# KiCad board [DFR1144][M027.00940](V1.0.0).kicad_pcb (continued)
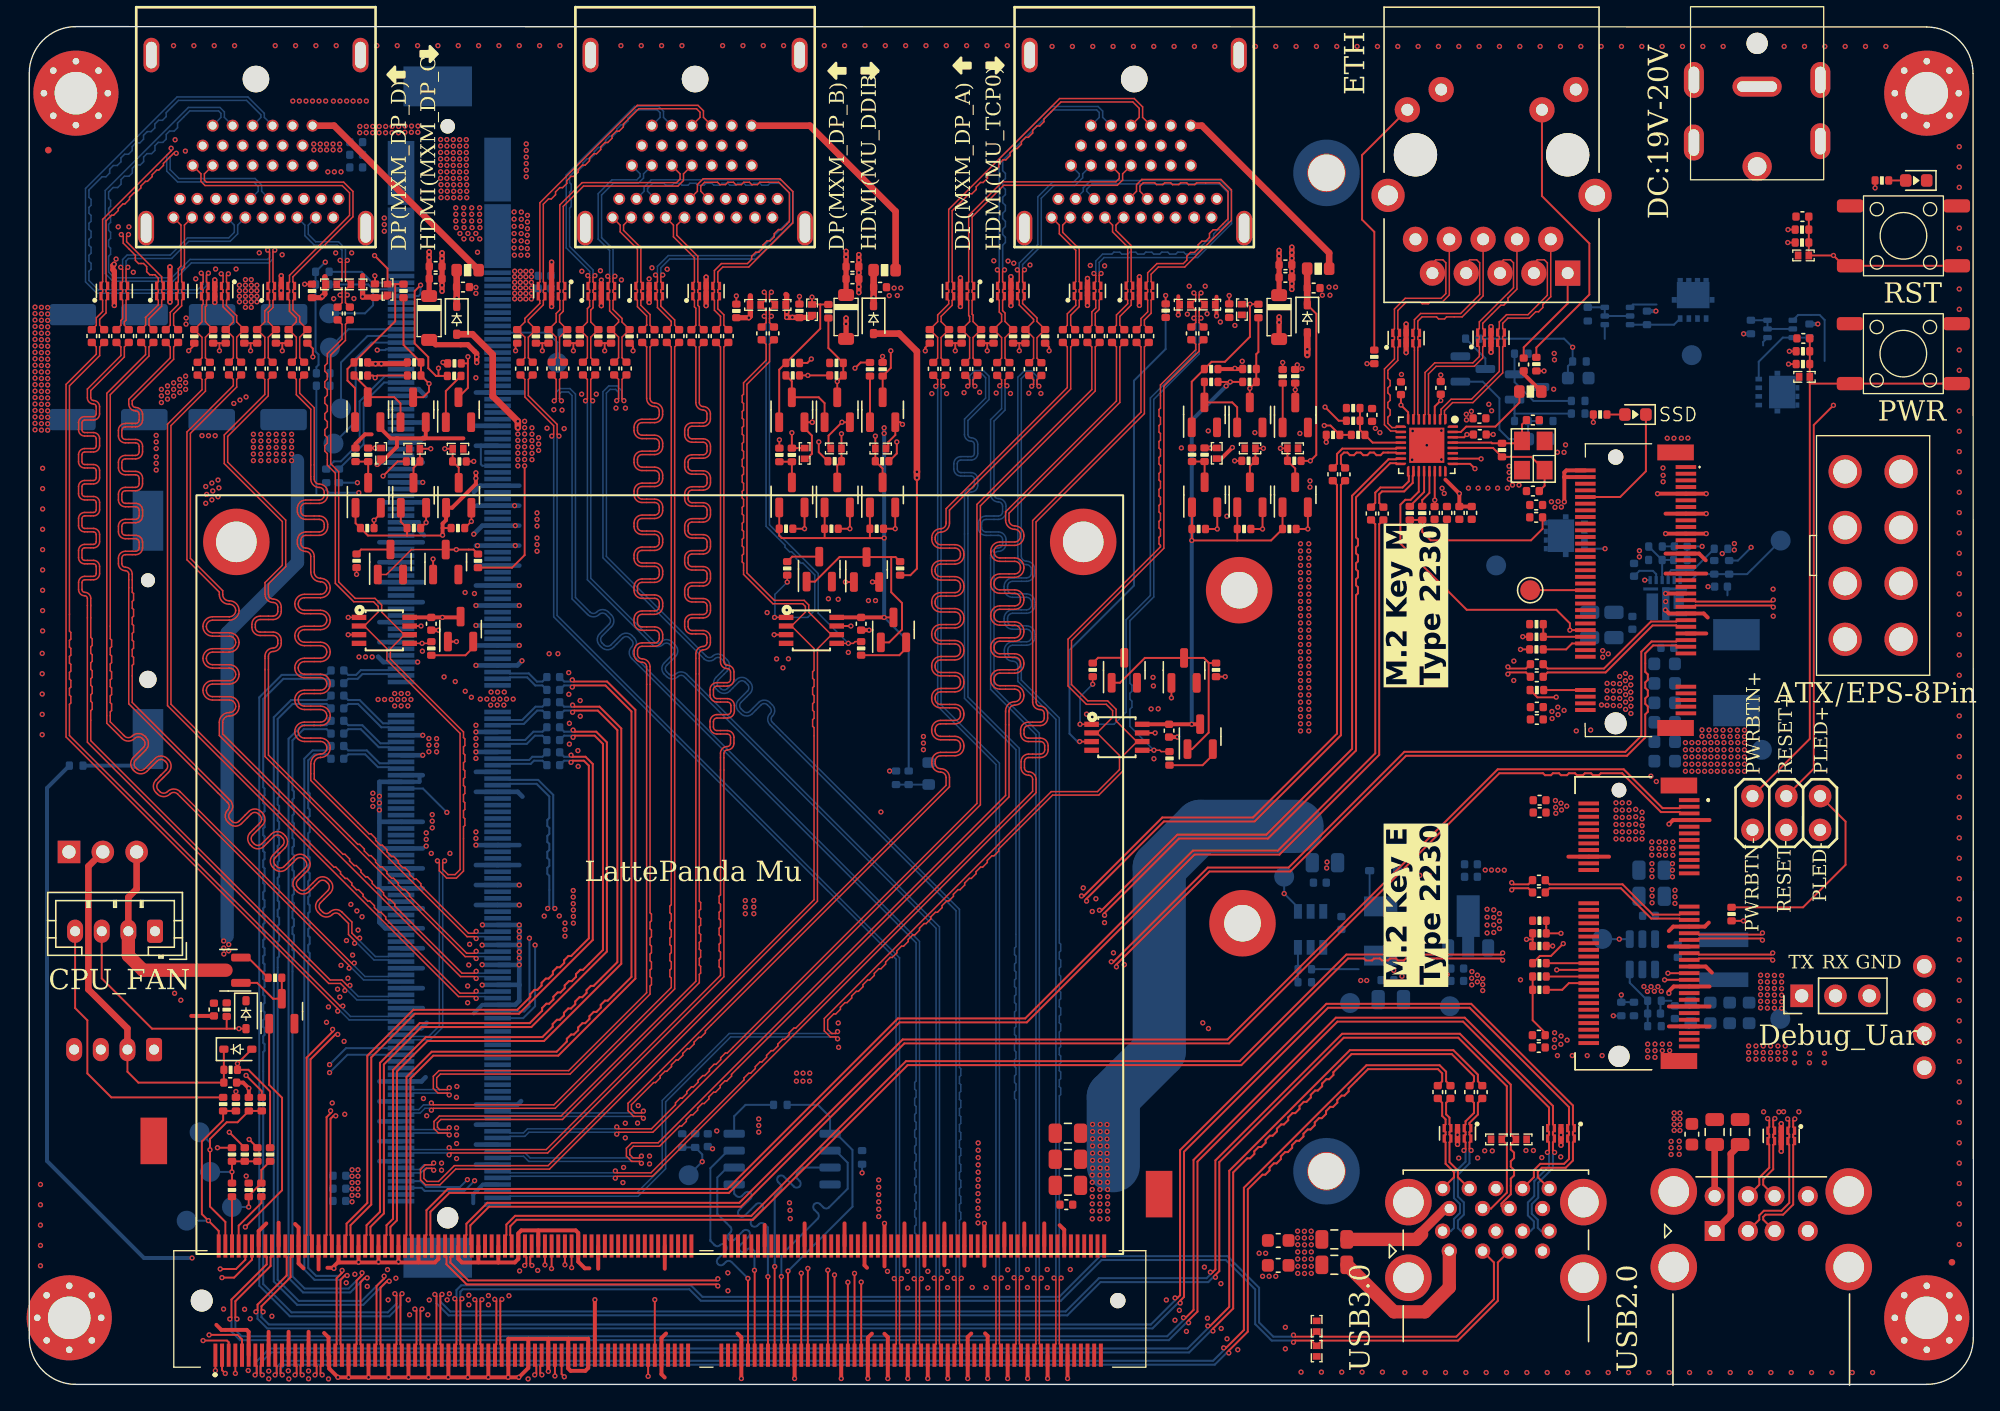
[diagram p0: board, top side]
## Routing (per net, layer and track width the routed paths; a pad name or vN(x,y) marks a point on that pad's centre or on a via; arc(x,y) is an arc through that point) (continued)
+BATT: length 81.6
  In1.SIG1 w0.3: A1.115 v1(42.48,6.35)
  In3.SIG2 w0.3: v1(12.23,9.5) 19.05,9.5 24.04,4.5 40.62,4.5 v1(42.48,6.35)
  In8.SIG4 w0.3: R2.1 1.33,44.8 1.33,16.78 8.62,9.5 v1(12.23,9.5)
/Fan_Temp/FAN_1_PWM: length 13.9
  In1.SIG1 w0.15: R79.2 R84.1 14.56,19.85 12.96,18.25 12.96,12.79 v1(13.45,12.3) 14.23,11.53 A1.2
  In8.SIG4 w0.15: v1(13.45,12.3) 13.45,12.3 TP9.1
/Fan_Temp/FAN_1_TAC: length 14.9
  In1.SIG1 w0.15: A1.4 14.73,12.2 13.57,13.36 v1(13.57,17.62) 13.57,18.44 14.82,19.69 15.64,19.69 R81.1 R83.2
  In8.SIG4 w0.15: v1(13.57,17.62) 13.57,18.16 TP10.1
/Fan_Temp/FAN_2_PWM: length 3.7
  In1.SIG1 w0.15: A1.6 15.22,10.4 R136.1
/Fan_Temp/FAN_2_TAC: length 4.4
  In1.SIG1 w0.15: A1.8 15.73,11.92 17.43,13.63 R70.1
/Fan_Temp/TEMP: length 96.2
  In1.SIG1 w0.15: v1(13.51,3.72) 15.63,3.72 15.98,3.38 A1.9
  In3.SIG2 w0.15: 64.61,46.08 64.61,22.37 46.04,3.8 23.54,3.8 18.22,9.12 13.4,9.12 11.45,7.17 11.45,5.77 v1(13.51,3.72)
  In8.SIG4 w0.15: R134.1 v1(64.61,46.08)
/Gigabit Ethernet/GbE_PCIe_CLK+: length 114.1
  In1.SIG1 w0.154: v1(80.37,35.62) 80.54,35.62 86.22,41.29 92.89,41.29 99.34,47.74 99.34,66.76 102.08,69.5 102.65,69.5 102.7,69.55 U5.15 ; A1.94 37.23,9.67 37.33,9.56 37.33,9.05 v1(37.21,8.93)
  In6.SIG3 w0.154: v1(37.21,8.93) 37.33,9.05 37.33,26.78 42.83,32.28 77.21,32.28 80.37,35.45 v1(80.37,35.62)
/Gigabit Ethernet/GbE_PCIe_CLK-: length 114.1
  In1.SIG1 w0.154: v1(37.75,8.93) 37.62,9.05 37.62,9.56 37.73,9.67 A1.96 ; v1(80.75,35.24) 80.75,35.41 86.34,41 93.02,41 99.64,47.62 99.64,59.29 99.78,59.43 99.78,59.89 99.64,60.03 99.64,60.49 99.78,60.63 99.78,61.09 99.64,61.23 99.64,61.69 99.78,61.83 99.78,62.29 99.64,62.43 99.64,62.89 99.78,63.03 99.78,63.49 99.64,63.63 99.64,66.64 102.2,69.2 102.65,69.2 102.7,69.15 U5.16
  In6.SIG3 w0.154: v1(37.75,8.93) 37.62,9.05 37.62,26.66 42.96,31.99 77.33,31.99 80.58,35.24 v1(80.75,35.24)
/Gigabit Ethernet/GbE_PCIe_RX+: length 105.9
  In1.SIG1 w0.154: C29.2 101.08,64.63 101.08,47.41 93.76,40.09 87.39,40.09 74.79,27.49 65.23,27.49 52.42,14.68 31.42,14.68 29.83,13.08 29.83,11.22 29.73,11.12 A1.64
/Gigabit Ethernet/GbE_PCIe_RX-: length 105.9
  In1.SIG1 w0.154: A1.66 30.23,11.12 30.12,11.22 30.12,12.96 31.55,14.39 52.54,14.39 65.35,27.2 74.91,27.2 87.52,39.8 93.89,39.8 101.38,47.29 101.38,64.63 C25.2
/Gigabit Ethernet/GbE_PCIe_TX+: length 118.6
  In1.SIG1 w0.154: A1.61 28.98,2.92 29.08,3.02 29.08,5.54 v1(28.96,5.66) ; v1(79.02,36.69) 79.19,36.69 85.09,42.58 91.9,42.58 98.21,48.89 98.21,67.11 98.21,67.57 C28.2
  In6.SIG3 w0.154: v1(28.96,5.66) 29.08,5.78 29.08,7.33 35.86,14.11 35.86,27.34 42.11,33.59 76.1,33.59 79.02,36.52 v1(79.02,36.69)
/Gigabit Ethernet/GbE_PCIe_TX-: length 118.6
  In1.SIG1 w0.154: C24.2 98.5,67.57 98.5,48.77 92.03,42.29 85.21,42.29 79.4,36.48 v1(79.4,36.31) ; A1.63 29.48,2.92 29.37,3.02 29.37,5.54 v1(29.5,5.66)
  In6.SIG3 w0.154: v1(79.4,36.31) 79.23,36.31 76.22,33.3 42.24,33.3 36.15,27.21 36.15,13.99 29.37,7.21 29.37,5.78 v1(29.5,5.66)
/Gigabit Ethernet/HSI+: length 6.2
  In1.SIG1 w0.154: U5.13 102.7,70.35 102.65,70.3 98.61,70.3 98.21,69.9 98.21,69.16 C28.1
/Gigabit Ethernet/HSI-: length 6.2
  In1.SIG1 w0.154: C24.1 98.5,69.16 98.5,69.78 98.73,70 98.98,70 99.18,69.81 99.48,69.81 99.68,70 99.98,70 100.18,69.81 100.48,69.81 100.68,70 100.98,70 101.18,69.81 101.48,69.81 101.68,70 102.65,70 102.7,69.95 U5.14
/Gigabit Ethernet/HSO+: length 4.9
  In1.SIG1 w0.154: C29.1 101.08,66.22 101.08,66.99 101.47,67.38 103.13,67.38 103.6,67.85 103.6,68.25 103.55,68.3 U5.17
/Gigabit Ethernet/HSO-: length 4.9
  In1.SIG1 w0.154: C25.1 101.38,66.21 101.38,66.87 101.59,67.08 103.25,67.08 103.9,67.73 103.9,68.25 103.95,68.3 U5.18
/Gigabit Ethernet/LED1_1000: length 38.7
  In1.SIG1 w0.15: v1(109.03,69.53) 109.01,69.55 U5.26
  In6.SIG3 w0.15: v1(109.03,69.53) 112.68,69.53 120.6,77.45 120.6,92.81 J4.L4
/Gigabit Ethernet/LED2_ACT: length 48
  In1.SIG1 w0.15: v1(108.57,68.79) 108.21,69.15 U5.25
  In6.SIG3 w0.15: J4.L2 114.08,97.27 120.3,91.05 120.3,77.57 112.68,69.95 108.85,69.95 108.57,69.67 v1(108.57,68.79)
/Gigabit Ethernet/MDI0+: length 19
  In1.SIG1 w0.117: J4.R2 114.26,81.71 113.67,81.11 113.67,80.9 113.35,80.58 113.13,80.58 112.65,80.1 111.04,80.1 110.65,79.71 110.65,79.33 110.78,79.21 U7.6 110.78,78.83 110.65,78.71 110.65,78.55 110.78,78.43 U7.5 110.78,78.06 110.65,77.93 110.65,75.99 108.42,73.75 106.88,73.75 106.28,73.15 106.28,72.87 106.35,72.8 U5.1
/Gigabit Ethernet/MDI0-: length 19.1
  In1.SIG1 w0.117: J4.R3 112.99,84.22 113.25,84.48 113.78,84.48 114,84.26 114,81.82 112.55,80.36 110.94,80.36 110.4,79.82 110.4,79.33 110.28,79.21 U7.7 110.28,78.83 110.4,78.71 110.4,78.55 110.28,78.43 U7.4 110.28,78.06 110.4,77.93 110.4,76.1 108.31,74.01 106.78,74.01 106.02,73.25 106.02,72.87 105.95,72.8 U5.2
/Gigabit Ethernet/MDI1+: length 18.3
  In1.SIG1 w0.117: J4.R4 111.72,82.28 111.05,81.61 111.05,81.39 110.73,81.08 110.52,81.08 109.15,79.71 109.15,79.33 109.28,79.21 U7.9 109.28,78.83 109.15,78.71 109.15,78.55 109.28,78.43 U7.2 109.28,78.06 109.15,77.93 109.15,77.11 108.52,76.48 105.65,76.48 105.08,75.91 105.08,72.87 105.15,72.8 U5.4
/Gigabit Ethernet/MDI1-: length 18.4
  In1.SIG1 w0.117: J4.R5 110.45,84.22 110.71,84.48 111.24,84.48 111.46,84.26 111.46,82.39 108.9,79.82 108.9,79.33 108.78,79.21 U7.10 108.78,78.83 108.9,78.71 108.9,78.55 108.78,78.43 U7.1 108.78,78.06 108.9,77.93 108.9,77.22 108.42,76.74 105.55,76.74 104.82,76.01 104.82,72.87 104.75,72.8 U5.5
/Gigabit Ethernet/MDI2+: length 17.7
  In1.SIG1 w0.117: J4.R6 109.18,81.77 107.6,80.19 106.44,80.19 106.28,80.04 105.84,80.04 105.68,80.19 104.59,80.19 104.28,79.88 104.28,79.3 104.4,79.18 U6.6 104.4,78.8 104.28,78.68 104.28,78.52 104.4,78.4 U6.5 104.4,78.03 104.28,77.91 104.28,72.87 104.35,72.8 U5.6
/Gigabit Ethernet/MDI2-: length 17.7
  In1.SIG1 w0.117: J4.R7 107.91,84.22 108.17,84.48 108.7,84.48 108.92,84.26 108.92,81.88 107.5,80.45 104.49,80.45 104.02,79.98 104.02,79.3 103.9,79.18 U6.7 103.9,78.8 104.02,78.68 104.02,78.52 103.9,78.4 U6.4 103.9,78.03 104.02,77.91 104.02,72.87 103.95,72.8 U5.7
/Gigabit Ethernet/MDI3+: length 19.2
  In1.SIG1 w0.117: J4.R8 106.64,81.84 106.14,81.33 105.22,81.33 105.06,81.18 104.62,81.18 104.46,81.33 103.44,81.33 102.78,80.68 102.78,79.3 102.9,79.18 U6.9 102.9,78.8 102.78,78.68 102.78,78.52 102.9,78.4 U6.2 102.9,78.03 102.78,77.91 102.78,76.93 102.03,76.18 102.03,75.58 102.2,75.41 102.2,75.03 102.03,74.86 102.03,74.48 102.2,74.31 102.2,73.93 102.03,73.76 102.03,73.38 102.2,73.21 102.2,72.83 102.03,72.66 102.03,72.19 102.34,71.88 102.63,71.88 102.7,71.95 U5.9
/Gigabit Ethernet/MDI3-: length 19.3
  In1.SIG1 w0.117: U5.10 102.7,71.55 102.63,71.62 102.24,71.62 101.77,72.09 101.77,76.28 102.52,77.03 102.52,77.91 102.4,78.03 U6.1 102.4,78.4 102.52,78.52 102.52,78.68 102.4,78.8 U6.10 102.4,79.18 102.52,79.3 102.52,80.78 103.33,81.59 106.03,81.59 106.38,81.94 106.38,84.26 106.16,84.48 105.63,84.48 105.37,84.22 J4.R9
/Gigabit Ethernet/~{CLKREQ4}: length 112.7
  In1.SIG1 w0.15: A1.102 39.23,8.7 v1(39.22,8.7) ; v1(97.25,72.03) 97.72,72.03 R135.2 R106.2
  In3.SIG2 w0.15: v1(97.25,72.03) 89.29,72.03 88.69,72.63 63.47,72.63 62.1,71.26 62.1,69.56 53.52,60.98 53.52,43.14 38.43,28.04 38.43,10.51 39.22,9.71 v1(39.22,8.7)
/HDMI+DPA/ACT_DONGLE_DET_DPA: length 16.1
  In1.SIG1 w0.15: Q23.1 81.91,52.71 83.78,54.57 Q25.3 88.21,54.57 88.57,54.21 ; 88.57,54.21 88.57,48.97 87.33,47.72 Q24.1 ; 88.57,54.21 88.6,54.19 R127.2
/HDMI+DPA/ACT_DONGLE_DET_DPA_N: length 55.7
  In1.SIG1 w0.15: U21.7 v1(84.55,48.94) ; U21.3 v1(78.88,48.29) ; v1(85.34,81.8) 85.34,81.17 R152.1 ; Q25.1 v1(85.77,51.57)
  In3.SIG2 w0.15: v1(78.88,48.29) 83.9,48.29 v1(84.55,48.94) 85.77,50.16 v1(85.77,51.57)
  In6.SIG3 w0.15: v1(85.34,81.8) 84.78,82.36 U31.D13
  In8.SIG4 w0.15: v1(78.88,48.29) 78.71,48.29 78.12,48.88 78.12,55.17 82.96,60.01 82.96,75.4 85.34,77.78 v1(85.34,81.8)
/HDMI+DPA/DPA_AUX+: length 50.1
  In1.SIG1 w0.117: C156.2 87.6,79.77 87.6,79.96 v1(87.46,80.1) 87.6,80.24 87.6,80.7 87.6,80.71 D44.2 87.6,81.52 87.6,81.85 v1(87.46,81.99) ; v1(79.86,52.6) 79.86,53.16 ; U21.1 v1(78.91,49.59)
  In6.SIG3 w0.117: v1(87.46,81.99) 87.6,82.14 87.6,82.64 86.65,83.59 86.65,87.09 U31.D15
  In8.SIG4 w0.117: v1(79.86,52.6) 78.91,51.65 v1(78.91,49.59) 81.46,49.59 82.37,50.5 82.37,57.44 84.19,59.26 84.19,74.1 87.6,77.51 87.6,79.96 v1(87.46,80.1)
/HDMI+DPA/DPA_AUX-: length 47.3
  In1.SIG1 w0.117: v1(88,81.99) 87.86,81.85 87.86,81.52 D43.2 87.86,80.71 87.86,80.6 87.86,80.24 v1(88,80.1) 87.86,79.96 87.86,79.77 C157.2 ; U21.5 84.46,47.64 ; R126.1 85,47.54 84.9,47.64 v1(84.46,47.64)
  In6.SIG3 w0.117: v1(88,81.99) 87.86,82.14 87.86,82.75 86.91,83.69 86.91,87.09 U31.D17
  In8.SIG4 w0.117: v1(84.46,47.64) 82.66,49.44 82.66,50.72 82.81,50.87 82.81,51.32 82.66,51.47 82.66,51.92 82.81,52.07 82.81,52.52 82.66,52.67 82.66,57.37 84.45,59.16 84.45,74 87.86,77.4 87.86,79.96 v1(88,80.1)
/HDMI+DPA/DPA_D0+: length 9.8
  In1.SIG1 w0.117: U31.D1 77.35,87.09 77.35,86.44 78.59,85.2 78.59,82.84 78.47,82.72 U27.10 78.47,82.35 78.59,82.23 78.59,82.07 78.47,81.95 U27.1 78.47,81.57 78.59,81.45 78.59,81.06 77.95,80.42 77.95,79.57 C148.2
/HDMI+DPA/DPA_D0-: length 9.8
  In1.SIG1 w0.117: U31.D3 77.61,87.09 77.61,86.54 78.85,85.3 78.85,82.84 78.97,82.72 U27.9 78.97,82.35 78.85,82.23 78.85,82.07 78.97,81.95 U27.2 78.97,81.57 78.85,81.45 78.85,80.96 78.21,80.32 78.21,79.57 C149.2
/HDMI+DPA/DPA_D1+: length 32
  In1.SIG1 w0.117: v1(80.49,83.46) 80.35,83.31 80.35,82.84 80.47,82.72 U27.6 80.47,82.35 80.35,82.23 80.35,82.07 80.47,81.95 U27.5 80.47,81.57 80.35,81.45 80.35,80.76 80.05,80.46 80.05,79.56 C150.2
  In8.SIG4 w0.117: v1(80.49,83.46) 80.35,83.6 80.35,84.29 80.71,84.65 87.74,84.65 90.29,87.2 90.29,89.62 89.47,90.44 79.71,90.44 79.15,89.88 79.15,89.63 U31.D4
/HDMI+DPA/DPA_D1-: length 32
  In1.SIG1 w0.117: v1(79.95,83.46) 80.09,83.31 80.09,82.84 79.97,82.72 U27.7 79.97,82.35 80.09,82.23 80.09,82.07 79.97,81.95 U27.4 79.97,81.57 80.09,81.45 80.09,80.86 79.8,80.57 79.8,79.56 C151.2
  In8.SIG4 w0.117: U31.D6 79.41,89.63 79.41,89.78 79.81,90.18 89.37,90.18 90.03,89.52 90.03,87.3 89.47,86.74 89.27,86.74 88.94,86.42 88.94,86.22 88.62,85.9 88.42,85.9 88.1,85.58 88.1,85.37 87.64,84.91 86.84,84.91 86.7,85.06 86.24,85.06 86.1,84.91 85.64,84.91 85.5,85.06 85.04,85.06 84.9,84.91 84.44,84.91 84.3,85.06 83.84,85.06 83.7,84.91 83.24,84.91 83.1,85.06 82.64,85.06 82.5,84.91 82.04,84.91 81.9,85.06 81.44,85.06 81.3,84.91 80.61,84.91 80.09,84.39 80.09,83.6 v1(79.95,83.46)
/HDMI+DPA/DPA_D2+: length 9.8
  In1.SIG1 w0.117: C152.2 81.64,79.57 81.64,80.34 82.49,81.18 82.49,81.45 82.37,81.58 U28.1 82.37,81.95 82.49,82.07 82.49,82.23 82.37,82.35 U28.10 82.37,82.72 82.49,82.85 82.49,85.45 81.35,86.59 81.35,87.09 U31.D7
/HDMI+DPA/DPA_D2-: length 9.8
  In1.SIG1 w0.117: C153.2 81.9,79.57 81.9,80.23 82.75,81.08 82.75,81.45 82.87,81.58 U28.2 82.87,81.95 82.75,82.07 82.75,82.23 82.87,82.35 U28.9 82.87,82.72 82.75,82.85 82.75,85.55 81.61,86.69 81.61,87.09 U31.D9
/HDMI+DPA/DPA_D3+: length 23.6
  In1.SIG1 w0.117: U31.D10 83.15,89.63 83.15,90.12 83.55,90.52 89.49,90.52 90.28,89.73 90.28,87.45 86.77,83.94 84.79,83.94 84.25,83.4 84.25,82.85 84.37,82.72 U28.6 84.37,82.35 84.25,82.23 84.25,82.07 84.37,81.95 U28.5 84.37,81.58 84.25,81.45 84.25,80.47 83.74,79.96 83.74,79.56 C154.2
/HDMI+DPA/DPA_D3-: length 23.6
  In1.SIG1 w0.117: C155.2 83.49,79.56 83.49,80.07 83.99,80.57 83.99,81.45 83.87,81.58 U28.4 83.87,81.95 83.99,82.07 83.99,82.23 83.87,82.35 U28.7 83.87,82.72 83.99,82.85 83.99,83.5 84.68,84.2 86.67,84.2 86.93,84.46 86.93,84.76 87.21,85.04 87.51,85.04 87.78,85.31 87.78,85.61 88.06,85.89 88.36,85.89 88.63,86.16 88.63,86.46 88.91,86.73 89.2,86.73 90.02,87.55 90.02,89.63 89.39,90.26 87.66,90.26 87.53,90.13 87.06,90.13 86.93,90.26 86.46,90.26 86.33,90.13 85.86,90.13 85.73,90.26 85.26,90.26 85.13,90.13 84.66,90.13 84.53,90.26 83.65,90.26 83.41,90.02 83.41,89.63 U31.D12
/HDMI+DPA/DPA_HPD: length 22.9
  In1.SIG1 w0.15: Q35.1 87.3,75.32 R151.1 88.79,76.82 89.79,76.82 91.67,78.7 v1(91.67,81.15) ; D45.2 92.31,81.15 R101.2
  In3.SIG2 w0.15: v1(91.67,81.15) 91.67,82.09 89.81,83.95 89.81,87.98 89.45,88.34 88.61,88.34 U31.D18
/HDMI+DPA/LP_TCP_0_HPD: length 89.5
  In1.SIG1 w0.15: v1(62.48,7.69) A1.187 ; Q1.2 v1(89.22,64.26) R5.1
  In3.SIG2 w0.15: v1(89.22,64.26) 86.97,66.51 70.97,66.51 66.66,62.2 66.66,21.87 63.09,18.3 63.09,13.92 62.48,13.31 v1(62.48,7.69)
/HDMI+DPA/LP_TCP_0_SCL: length 94.3
  In1.SIG1 w0.15: A1.179 60.48,8.22 v1(60.47,8.22) ; Q2.2 v1(92.62,64.26) R6.2
  In3.SIG2 w0.15: v1(60.47,8.22) 60.47,16.11 66.36,22 66.36,62.32 70.84,66.81 90.07,66.81 v1(92.62,64.26)
/HDMI+DPA/LP_TCP_0_SDA: length 98.4
  In1.SIG1 w0.15: R4.2 v1(96.02,64.26) Q3.2 ; A1.177 59.98,8.57 v1(59.97,8.58)
  In3.SIG2 w0.15: v1(96.02,64.26) 93.17,67.11 70.72,67.11 66.06,62.45 66.06,22.12 59.97,16.03 v1(59.97,8.58)
/HDMI+DPA/LP_TCP_0_TX0+: length 87.6
  In1.SIG1 w0.117: C1.1 75.42,75.46 75.42,75.13 v1(75.28,74.99) ; A1.247 77.48,2.92 77.35,3.04 77.35,7.85 v1(77.5,7.99)
  In8.SIG4 w0.117: v1(75.28,74.99) 75.42,75.13 75.42,75.62 75.18,75.86 74.8,75.86 74.5,75.56 74.5,62.22 arc(74.61,61.95) 74.88,61.84 arc(75.33,61.66) 75.51,61.21 75.51,60.97 arc(75.33,60.52) 74.88,60.33 73.85,60.33 arc(73.58,60.22) 73.47,59.94 73.47,59.77 arc(73.58,59.5) 73.85,59.39 74.89,59.39 arc(75.34,59.2) 75.53,58.74 75.53,58.57 arc(75.34,58.12) 74.89,57.93 73.85,57.93 arc(73.58,57.82) 73.47,57.54 73.47,57.37 arc(73.58,57.1) 73.85,56.99 74.89,56.99 arc(75.34,56.8) 75.53,56.34 75.53,56.17 arc(75.34,55.72) 74.89,55.53 73.86,55.53 arc(73.59,55.42) 73.48,55.15 73.48,54.97 arc(73.59,54.7) 73.86,54.59 arc(74.31,54.4) 74.5,53.95 74.5,52.91 77.35,50.06 77.35,33.17 77.46,33.07 77.46,32.57 77.35,32.47 77.35,31.97 77.46,31.87 77.46,31.37 77.35,31.27 77.35,30.77 77.46,30.67 77.46,30.17 77.35,30.07 77.35,29.57 77.46,29.47 77.46,28.97 77.35,28.87 77.35,28.37 77.46,28.27 77.46,27.77 77.35,27.67 77.35,27.17 77.46,27.07 77.46,26.57 77.35,26.47 77.35,25.97 77.46,25.87 77.46,25.37 77.35,25.27 77.35,24.77 77.46,24.67 77.46,24.17 77.35,24.07 77.35,23.57 77.46,23.47 77.46,22.97 77.35,22.87 77.35,22.37 77.46,22.27 77.46,21.77 77.35,21.67 77.35,8.13 v1(77.5,7.99)
/HDMI+DPA/LP_TCP_0_TX0-: length 87.6
  In1.SIG1 w0.117: v1(76.96,7.99) 77.1,7.85 77.1,3.04 76.98,2.92 A1.245 ; C2.1 75.68,75.46 75.68,75.13 v1(75.82,74.99)
  In8.SIG4 w0.117: v1(76.96,7.99) 77.1,8.13 77.1,49.95 74.24,52.81 74.24,53.95 arc(74.13,54.22) 73.86,54.33 arc(73.41,54.52) 73.23,54.97 73.23,55.15 arc(73.41,55.6) 73.86,55.79 74.89,55.79 arc(75.16,55.9) 75.27,56.17 75.27,56.34 arc(75.16,56.62) 74.89,56.73 73.85,56.73 arc(73.4,56.92) 73.21,57.37 73.21,57.54 arc(73.4,58) 73.85,58.19 74.89,58.19 arc(75.16,58.3) 75.27,58.57 75.27,58.74 arc(75.16,59.02) 74.89,59.13 73.85,59.13 arc(73.4,59.32) 73.21,59.77 73.21,59.94 arc(73.4,60.4) 73.85,60.59 74.88,60.59 arc(75.15,60.7) 75.26,60.97 75.26,61.21 arc(75.15,61.47) 74.88,61.59 arc(74.43,61.77) 74.24,62.22 74.24,75.66 74.7,76.12 75.28,76.12 75.68,75.72 75.68,75.13 v1(75.82,74.99)
/HDMI+DPA/LP_TCP_0_TX1+: length 79.7
  In1.SIG1 w0.117: A1.241 75.98,2.92 75.85,3.04 75.85,7.85 v1(76,7.99) ; v1(73.42,75.02) 73.28,75.16 73.28,75.47 C3.1
  In8.SIG4 w0.117: v1(73.42,75.02) 73.28,74.88 73.28,73.2 72.45,72.37 72.45,66.87 arc(72.54,66.64) 72.77,66.55 arc(73.18,66.38) 73.35,65.97 73.35,65.56 arc(73.18,65.15) 72.77,64.98 71.86,64.98 arc(71.62,64.88) 71.52,64.64 71.52,64.37 arc(71.62,64.14) 71.86,64.04 72.77,64.04 arc(73.18,63.87) 73.35,63.46 73.35,63.16 arc(73.18,62.75) 72.77,62.58 arc(72.54,62.48) 72.45,62.26 72.45,52.32 75.85,48.92 75.85,8.13 v1(76,7.99)
/HDMI+DPA/LP_TCP_0_TX1-: length 79.7
  In1.SIG1 w0.117: v1(72.88,75.02) 73.02,75.16 73.02,75.47 C4.1 ; v1(75.46,7.99) 75.6,7.85 75.6,3.04 75.48,2.92 A1.239
  In8.SIG4 w0.117: v1(75.46,7.99) 75.6,8.13 75.6,48.81 72.19,52.22 72.19,62.26 arc(72.36,62.67) 72.77,62.84 arc(73,62.93) 73.09,63.16 73.09,63.46 arc(73,63.68) 72.77,63.78 71.86,63.78 arc(71.43,63.95) 71.26,64.37 71.26,64.64 arc(71.43,65.06) 71.86,65.24 72.77,65.24 arc(73,65.33) 73.09,65.56 73.09,65.97 arc(73,66.2) 72.77,66.29 arc(72.36,66.46) 72.19,66.87 72.19,72.47 73.02,73.3 73.02,74.88 v1(72.88,75.02)
/HDMI+DPA/LP_TCP_0_TX2+: length 82.9
  In1.SIG1 w0.117: v1(74.5,8.01) 74.35,7.87 74.35,3.04 74.48,2.92 A1.235 ; C5.1 70.62,75.47 70.62,75.14 v1(70.48,74.99)
  In8.SIG4 w0.117: v1(70.48,74.99) 70.62,75.14 70.62,75.77 71.01,76.16 71.65,76.16 72.08,75.74 72.08,74 70.49,72.41 70.49,71.36 arc(70.56,71.19) 70.73,71.11 arc(71.08,70.97) 71.23,70.62 71.23,69.94 arc(71.08,69.59) 70.73,69.44 69.96,69.44 arc(69.77,69.36) 69.69,69.17 69.69,68.77 arc(69.77,68.58) 69.96,68.5 70.73,68.5 arc(71.08,68.35) 71.23,68 71.23,67.54 arc(71.08,67.19) 70.73,67.04 arc(70.56,66.97) 70.49,66.8 70.49,51.64 74.35,47.78 74.35,8.15 v1(74.5,8.01)
/HDMI+DPA/LP_TCP_0_TX2-: length 82.9
  In1.SIG1 w0.117: C6.1 70.88,75.47 70.88,75.14 v1(71.02,74.99) ; v1(73.96,8.01) 74.1,7.87 74.1,3.04 73.98,2.92 A1.233
  In8.SIG4 w0.117: v1(73.96,8.01) 74.1,8.15 74.1,21.38 73.99,21.48 73.99,21.98 74.1,22.08 74.1,22.58 73.99,22.68 73.99,23.18 74.1,23.28 74.1,23.78 73.99,23.88 73.99,24.38 74.1,24.48 74.1,24.98 73.99,25.08 73.99,25.58 74.1,25.68 74.1,26.18 73.99,26.28 73.99,26.78 74.1,26.88 74.1,27.38 73.99,27.48 73.99,27.98 74.1,28.08 74.1,28.58 73.99,28.68 73.99,29.18 74.1,29.28 74.1,29.78 73.99,29.88 73.99,30.38 74.1,30.48 74.1,30.98 73.99,31.08 73.99,31.58 74.1,31.68 74.1,32.18 73.99,32.28 73.99,32.78 74.1,32.88 74.1,47.67 70.23,51.54 70.23,66.8 arc(70.38,67.15) 70.73,67.3 arc(70.9,67.37) 70.97,67.54 70.97,68 arc(70.9,68.17) 70.73,68.24 69.96,68.24 arc(69.59,68.39) 69.43,68.77 69.43,69.17 arc(69.59,69.54) 69.96,69.7 70.73,69.7 arc(70.9,69.77) 70.97,69.94 70.97,70.62 arc(70.9,70.79) 70.73,70.86 arc(70.38,71) 70.23,71.36 70.23,72.51 71.82,74.1 71.82,75.63 71.55,75.9 71.11,75.9 70.88,75.66 70.88,75.14 v1(71.02,74.99)
/HDMI+DPA/LP_TCP_0_TX3+: length 75.9
  In1.SIG1 w0.117: v1(68.62,74.98) 68.48,75.12 68.48,75.48 C7.1 ; v1(73,7.99) 72.85,7.85 72.85,3.04 72.98,2.92 A1.229
  In8.SIG4 w0.117: v1(73,7.99) 72.85,8.13 72.85,46.67 68.48,51.05 68.48,74.84 v1(68.62,74.98)
/HDMI+DPA/LP_TCP_0_TX3-: length 75.9
  In1.SIG1 w0.117: C8.1 68.22,75.48 68.22,75.12 v1(68.08,74.98) ; v1(72.46,7.99) 72.6,7.85 72.6,3.04 72.48,2.92 A1.227
  In8.SIG4 w0.117: v1(68.08,74.98) 68.22,74.84 68.22,50.94 72.6,46.56 72.6,8.13 v1(72.46,7.99)
/HDMI+DPA/MXM_DPA_AUX_N: length 107.1
  In1.SIG1 w0.117: v1(60.7,26.5) 60.56,26.36 60.26,26.36 59.96,26.66 59.96,27.38 60.41,27.83 60.57,27.83 60.91,28.18 60.91,28.33 61.26,28.68 61.42,28.68 61.76,29.02 61.76,29.18 62.11,29.53 62.26,29.53 62.61,29.87 62.61,30.03 62.96,30.38 63.11,30.38 63.46,30.72 63.46,30.88 63.81,31.22 63.96,31.22 64.31,31.57 64.31,31.73 64.66,32.07 64.81,32.07 65.16,32.42 65.16,32.57 65.5,32.92 65.66,32.92 66.01,33.27 66.01,33.42 66.35,33.77 66.51,33.77 66.85,34.12 66.85,34.27 67.2,34.62 67.36,34.62 67.7,34.96 67.7,35.12 68.05,35.47 68.2,35.47 68.55,35.81 68.55,35.97 68.9,36.31 69.05,36.31 69.4,36.66 69.4,36.82 69.75,37.16 69.9,37.16 70.25,37.51 70.25,37.67 70.6,38.01 70.75,38.01 71.1,38.36 71.1,38.51 71.44,38.86 71.6,38.86 71.95,39.21 71.95,39.36 72.29,39.71 72.45,39.71 72.79,40.06 72.79,40.21 73.44,40.85 76.85,44.27 80.32,44.27 82.13,46.08 82.13,47.22 83.2,48.29 U21.6 83.17,48.29 81.62,49.84 81.62,50.71 80.98,51.35 79.49,51.35 78.27,52.57 78.27,55.88 85.21,62.81 85.21,74.98 87.86,77.62 87.86,78.14 C157.1
  In8.SIG4 w0.117: J11.277 36,14.51 36.12,14.39 45.62,14.39 47.53,16.3 47.53,21.33 52.57,26.36 60.56,26.36 v1(60.7,26.5)
/HDMI+DPA/MXM_DPA_AUX_P: length 107.1
  In1.SIG1 w0.117: 80.18,48.94 U21.2 80.18,48.94 ; 80.18,48.94 81.88,47.24 81.88,46.19 80.22,44.53 76.75,44.53 59.7,27.48 59.7,26.56 60.16,26.1 60.56,26.1 v1(60.7,25.96) ; 80.18,48.94 81.36,50.12 81.36,50.61 80.88,51.09 79.39,51.09 78.01,52.47 78.01,55.98 84.95,62.92 84.95,63.03 84.84,63.14 84.84,63.63 84.95,63.74 84.95,64.23 84.84,64.34 84.84,64.83 84.95,64.94 84.95,65.43 84.84,65.54 84.84,66.03 84.95,66.14 84.95,66.63 84.84,66.74 84.84,67.23 84.95,67.34 84.95,67.83 84.84,67.94 84.84,68.43 84.95,68.54 84.95,69.03 84.84,69.14 84.84,69.63 84.95,69.74 84.95,70.23 84.84,70.34 84.84,70.83 84.95,70.94 84.95,71.43 84.84,71.54 84.84,72.03 84.95,72.14 84.95,72.63 84.84,72.74 84.84,73.23 84.95,73.34 84.95,75.08 87.6,77.73 87.6,78.14 C156.1
  In8.SIG4 w0.117: J11.279 36,14.01 36.12,14.13 45.73,14.13 47.79,16.2 47.79,21.22 52.67,26.1 60.56,26.1 v1(60.7,25.96)
/HDMI+DPA/MXM_DPA_HPD: length 111.7
  In1.SIG1 w0.15: Q34.3 v1(91.66,74.82) R149.2 92.15,76.28 R148.1 92.15,77.4 92.31,77.56 R101.1
  In3.SIG2 w0.15: v1(33.44,15.3) 33.44,23.49 53.22,43.26 53.22,61.11 61.8,69.69 61.8,71.38 63.35,72.93 89.77,72.93 v1(91.66,74.82)
  In8.SIG4 w0.15: J11.276 29.46,14.76 29.7,14.53 32.67,14.53 v1(33.44,15.3)
/HDMI+DPA/MXM_DPA_TX0_DN: length 108.9
  In1.SIG1 w0.117: C149.1 78.21,77.94 78.21,74.78 69.11,65.67 69.11,64.69 arc(68.91,64.22) 68.44,64.02 arc(68.15,63.9) 68.03,63.62 68.03,63.49 arc(68.15,63.2) 68.44,63.08 69.52,63.08 arc(69.99,62.88) 70.19,62.41 70.19,62.29 arc(69.99,61.82) 69.52,61.62 68.44,61.62 arc(68.15,61.5) 68.03,61.21 68.03,61.09 arc(68.15,60.8) 68.44,60.68 69.52,60.68 arc(69.99,60.48) 70.19,60.01 70.19,59.89 arc(69.99,59.42) 69.52,59.22 68.44,59.22 arc(68.15,59.1) 68.03,58.81 68.03,58.69 arc(68.15,58.4) 68.44,58.28 69.52,58.28 arc(69.99,58.08) 70.19,57.61 70.19,57.49 arc(69.99,57.02) 69.52,56.82 68.44,56.82 arc(68.15,56.7) 68.03,56.41 68.03,56.29 arc(68.15,56) 68.44,55.88 69.52,55.88 arc(69.99,55.68) 70.19,55.21 70.19,55.09 arc(69.99,54.62) 69.52,54.42 68.44,54.42 arc(68.15,54.3) 68.03,54.01 68.03,53.89 arc(68.15,53.6) 68.44,53.48 69.52,53.48 arc(69.99,53.28) 70.19,52.81 70.19,52.69 arc(69.99,52.22) 69.52,52.02 68.44,52.02 arc(68.15,51.9) 68.03,51.61 68.03,51.49 arc(68.15,51.2) 68.44,51.08 69.52,51.08 arc(69.99,50.88) 70.19,50.41 70.19,50.29 arc(69.99,49.82) 69.52,49.62 68.44,49.62 arc(68.15,49.5) 68.03,49.21 68.03,49.09 arc(68.15,48.8) 68.44,48.68 69.52,48.68 arc(69.99,48.48) 70.19,48.01 70.19,47.89 arc(69.99,47.42) 69.52,47.22 68.44,47.22 arc(68.15,47.1) 68.03,46.82 68.03,46.66 arc(68.15,46.37) 68.44,46.25 arc(68.91,46.06) 69.11,45.59 69.11,44.9 51.23,27.01 50.77,26.56 50.77,26.42 50.42,26.07 50.28,26.07 49.93,25.71 49.93,25.57 49.57,25.22 49.43,25.22 49.08,24.87 49.08,24.72 48.73,24.37 48.58,24.37 48.23,24.02 48.23,23.87 47.88,23.52 47.73,23.52 47.38,23.17 47.38,23.02 47.03,22.67 46.88,22.67 45.22,21.01 45.22,20.66 45.49,20.39 45.98,20.39 v1(46.12,20.53)
  In8.SIG4 w0.117: v1(46.12,20.53) 45.98,20.39 36.12,20.39 36,20.51 J11.253
/HDMI+DPA/MXM_DPA_TX0_DP: length 108.9
  In1.SIG1 w0.117: v1(46.12,19.99) 45.98,20.13 45.39,20.13 44.96,20.56 44.96,21.12 68.85,45 68.85,45.59 arc(68.73,45.88) 68.44,46 arc(67.97,46.19) 67.78,46.66 67.78,46.82 arc(67.97,47.29) 68.44,47.48 69.52,47.48 arc(69.81,47.6) 69.93,47.89 69.93,48.01 arc(69.81,48.3) 69.52,48.42 68.44,48.42 arc(67.97,48.62) 67.77,49.09 67.77,49.21 arc(67.97,49.68) 68.44,49.88 69.52,49.88 arc(69.81,50) 69.93,50.29 69.93,50.41 arc(69.81,50.7) 69.52,50.82 68.44,50.82 arc(67.97,51.02) 67.77,51.49 67.77,51.61 arc(67.97,52.08) 68.44,52.28 69.52,52.28 arc(69.81,52.4) 69.93,52.69 69.93,52.81 arc(69.81,53.1) 69.52,53.22 68.44,53.22 arc(67.97,53.42) 67.77,53.89 67.77,54.01 arc(67.97,54.48) 68.44,54.68 69.52,54.68 arc(69.81,54.8) 69.93,55.09 69.93,55.21 arc(69.81,55.5) 69.52,55.62 68.44,55.62 arc(67.97,55.82) 67.77,56.29 67.77,56.41 arc(67.97,56.88) 68.44,57.08 69.52,57.08 arc(69.81,57.2) 69.93,57.49 69.93,57.61 arc(69.81,57.9) 69.52,58.02 68.44,58.02 arc(67.97,58.22) 67.77,58.69 67.77,58.81 arc(67.97,59.28) 68.44,59.48 69.52,59.48 arc(69.81,59.6) 69.93,59.89 69.93,60.01 arc(69.81,60.3) 69.52,60.42 68.44,60.42 arc(67.97,60.62) 67.77,61.09 67.77,61.21 arc(67.97,61.68) 68.44,61.88 69.52,61.88 arc(69.81,62) 69.93,62.29 69.93,62.41 arc(69.81,62.7) 69.52,62.82 68.44,62.82 arc(67.97,63.02) 67.78,63.49 67.78,63.62 arc(67.97,64.09) 68.44,64.28 arc(68.73,64.4) 68.85,64.69 68.85,65.78 77.95,74.88 77.95,77.94 C148.1
  In8.SIG4 w0.117: J11.255 36,20.01 36.12,20.13 45.98,20.13 v1(46.12,19.99)
/HDMI+DPA/MXM_DPA_TX1_DN: length 85.2
  In1.SIG1 w0.117: v1(44.12,19.34) 44.26,19.2 46.73,19.2 48.53,21 48.53,21.15 48.88,21.5 49.03,21.5 49.38,21.85 49.38,22 49.73,22.35 49.87,22.35 50.23,22.7 50.23,22.84 50.58,23.2 50.72,23.2 51.07,23.55 51.07,23.69 51.43,24.04 51.57,24.04 51.92,24.4 51.92,24.54 52.27,24.89 52.42,24.89 52.84,25.31 71.17,43.64 71.17,66.11 79.8,74.74 79.8,77.94 C151.1
  In8.SIG4 w0.117: v1(44.12,19.34) 43.98,19.2 37.42,19.2 37.11,18.89 36.12,18.89 36,19.01 J11.259
/HDMI+DPA/MXM_DPA_TX1_DP: length 85.2
  In1.SIG1 w0.117: C150.1 80.05,77.94 80.05,74.63 71.43,66 71.43,43.54 46.83,18.94 44.26,18.94 v1(44.12,18.8)
  In8.SIG4 w0.117: J11.261 36,18.51 36.12,18.63 37.22,18.63 37.52,18.94 43.98,18.94 v1(44.12,18.8)
/HDMI+DPA/MXM_DPA_TX2_DN: length 108.9
  In1.SIG1 w0.117: C153.1 81.9,77.94 81.9,73.77 73.58,65.45 73.58,64.92 arc(73.7,64.62) 74.01,64.49 arc(74.49,64.29) 74.69,63.81 74.69,63.71 arc(74.49,63.23) 74.01,63.03 72.89,63.03 arc(72.59,62.9) 72.46,62.6 72.46,62.51 arc(72.59,62.21) 72.89,62.09 74.01,62.09 arc(74.49,61.88) 74.69,61.4 74.69,61.32 arc(74.49,60.83) 74.01,60.63 72.89,60.63 arc(72.59,60.5) 72.46,60.2 72.46,60.11 arc(72.59,59.81) 72.89,59.69 74.01,59.69 arc(74.49,59.48) 74.69,59 74.69,58.92 arc(74.49,58.43) 74.01,58.23 72.89,58.23 arc(72.59,58.1) 72.46,57.8 72.46,57.71 arc(72.59,57.41) 72.89,57.29 74.01,57.29 arc(74.49,57.08) 74.69,56.6 74.69,56.52 arc(74.49,56.03) 74.01,55.83 72.89,55.83 arc(72.59,55.7) 72.46,55.4 72.46,55.31 arc(72.59,55.01) 72.89,54.89 74.01,54.89 arc(74.49,54.68) 74.69,54.2 74.69,54.12 arc(74.49,53.63) 74.01,53.43 72.89,53.43 arc(72.59,53.3) 72.46,53 72.46,52.92 arc(72.59,52.61) 72.89,52.49 74.01,52.49 arc(74.49,52.28) 74.69,51.8 74.69,51.71 arc(74.49,51.23) 74.01,51.03 arc(73.7,50.9) 73.58,50.6 73.58,44.13 53.25,23.81 52.74,23.29 52.74,23.15 52.38,22.8 52.24,22.8 51.89,22.44 51.89,22.3 51.54,21.95 51.39,21.95 51.04,21.6 51.04,21.45 50.69,21.1 50.54,21.1 50.19,20.75 50.19,20.6 49.84,20.25 49.69,20.25 49.34,19.9 49.34,19.75 48.99,19.4 48.85,19.4 47.33,17.89 45.36,17.89 45.1,17.63 45.1,17.25 45.34,17.01 45.83,17.01 v1(45.97,17.15)